# Altium PCB DIOT_Template.PcbDoc (part 1 of 3) (continued)
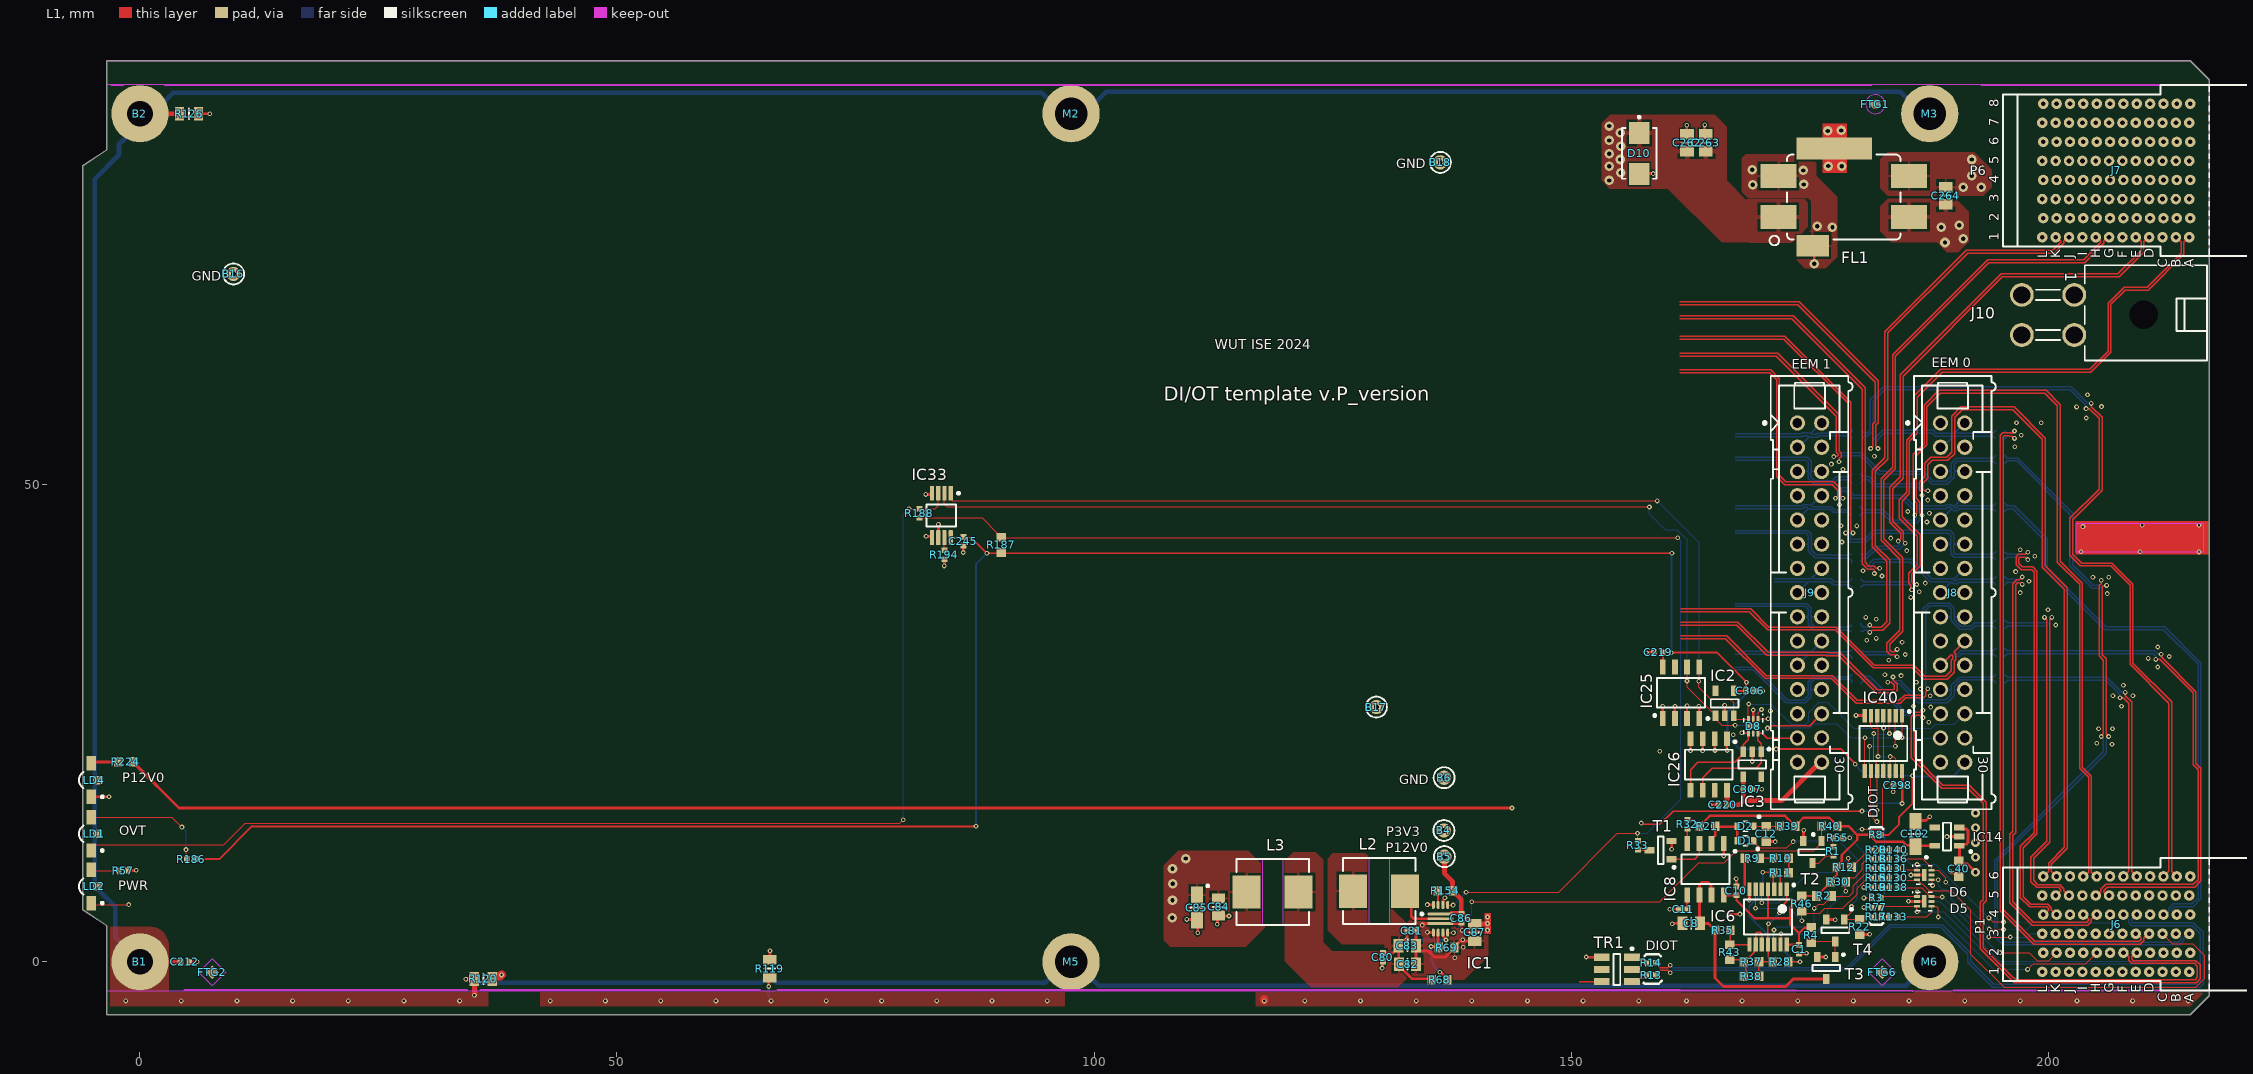
[diagram p0: L1 view]
## Design rules (kind name [scope] priority, off if disabled: settings) (continued)
PolygonConnect [All] p3: thpad.connectstyle=Relief thpad.reliefconductorwidth=0.254 thpad.reliefentries=4 thpad.polygonreliefangle="90 Angle" thpad.airgapwidth=0.254 smdpad.connectstyle=Relief smdpad.reliefconductorwidth=0.254 smdpad.reliefentries=4 smdpad.polygonreliefangle="90 Angle" smdpad.airgapwidth=0.254 via.connectstyle=Direct via.reliefconductorwidth=0.254 via.reliefentries=4 via.polygonreliefangle="90 Angle" via.airgapwidth=0.254
ReturnPath [All] p1: impedanceprofileid={766963E9-4C46-4FD0-92C7-72FE31CC1419} _gaplimit=0 _useantipads=TRUE
RoomDefinition Overlapping [InComponentClass('Overlapping')] p1: confinementstyle=ConfineIn formatcopy=TRUE lockcomponents=FALSE outline 194.742,-3.302 229.921,-3.302 229.921,11.684 194.742,11.684
RoomDefinition U_PWR_Supply [InComponentClass('U_PWR_Supply')] p2: confinementstyle=ConfineIn formatcopy=TRUE lockcomponents=FALSE outline 101.549,-6.782 147.473,-6.782 147.473,18.136 101.549,18.136
RoutingLayers RoutingLayers_1 [InAnyDifferentialPair] p1 off: top layer_v5=TRUE bottom layer_v5=TRUE
RoutingLayers RoutingLayers_2 [InNetClass('50Ohm')] p2: top layer_v5=TRUE bottom layer_v5=TRUE
RoutingLayers [All] p3: top layer_v5=TRUE bottom layer_v5=TRUE
RoutingTopology RoutingTopology_DDRAddressAndControls [InNetClass('DDR_AddressAndControls')] p1: topology=Daisy_Simple
RoutingTopology RoutingTopology_DDRAddressAndControls_1 [InNetClass('DDR_AddressAndControls_1')] p2: topology=Daisy_Simple
RoutingTopology [All] p3: topology=Shortest
RoutingVias [All] p1: holewidth=0.25 width=0.5 viastyle="Through Hole" minholewidth=0.25 minwidth=0.5 maxholewidth=0.45 maxwidth=1 viatemplateguid#1={8CC95450-9C4C-4A66-BFBB-022CCA0C80F0} viatemplateguid#2={7BA2FAF8-F5E9-4BF3-9BD8-21DB5C2C29C0} viatemplatename#1=v50h20 viatemplatename#2=v80h50
SMDEntry [All] p1 off: side=TRUE corner=TRUE anyangle=FALSE
SilkToSilkClearance [All] p1: silktosilkclearance=0.1
SilkToSolderMaskClearance SilkscreenOverComponentPads [IsPad] p1: minsilkscreentomaskgap=0.125 clearancetoexposedcopper=FALSE
SolderMaskExpansion SolderMaskExpansion_1 [IsVia] p1: expansion=0.05 istentingtop=TRUE
SolderMaskExpansion [All] p2: expansion=0.05 istentingtop=FALSE
StubLength [All] p1: limit=3
SupplyNets "Schematic Supply Nets_7" [InNet('GND')] p1: voltage=0.000
SupplyNets "Schematic Supply Nets_6" [InNet('P3V3_MP2')] p2: voltage=0.000
SupplyNets "Schematic Supply Nets_5" [InNet('P3V3_DIOT')] p3: voltage=0.000
SupplyNets "Schematic Supply Nets_3" [InNet('P3V3_MP')] p4: voltage=0.000
SupplyNets "Schematic Supply Nets_2" [InNet('STRIP1')] p5: voltage=0.000
SupplyNets "Schematic Supply Nets_1" [InNet('P12V0')] p6: voltage=0.000
SupplyNets "Schematic Supply Nets" [InNet('P3V3')] p7: voltage=0.000
UnConnectedPin [All] p1 off:
UnRoutedNet UnRoutedNet_1 [Not (InNet('STRIP1') or InNet('FMC_VIO_B_M2C'))] p1: checkbadconnections=TRUE
UnpouredPolygon UnpouredPolygon_1 [InPolygonClass('Copper_Balancing')] p1: allowunpoured=TRUE
UnpouredPolygon [All] p2:
ViasUnderSMD ViasUnderSMD_1 [InPadClass('ViaInPad')     or InComponent('IC21')] p1: allowed=TRUE
ViasUnderSMD [All] p2: allowed=FALSE
Width Width_pwr [InNetClass('PWR')] p1: maxlimit=2 minlimit=0.3 preferedwidth=0.3 minimp=50.000000 maximp=50.000000 favimp=50.000000
Width Width_50Ohm [InNetClass('SE50')] p2: maxlimit=0.23 minlimit=0.23 preferedwidth=0.23 impedanceprofiledriven=TRUE impedanceprofileid={817017FA-2CA9-4D33-80A1-67892E8A955B} impedanceprofilevalue=50.000000 minimp=50.000000 maximp=50.000000 favimp=50.000000
Width [All] p3: maxlimit=2 minlimit=0.125 preferedwidth=0.125 minimp=50.000000 maximp=50.000000 favimp=50.000000
12 further rules are at their usual default settings.

## Classes and differential pairs
component class Overlapping: J6
component class U_CLK_GEN: TR1
net class HPOW: P12V0
component class EEM_Connectors: C219 C220 C298 C306 C307 D8 IC2 IC3 IC25 IC26 IC40 IC42 IC43 J8 J9 R3 R5 R6 R7 R77 R143 R144 R145 R146 R147 R148 R149 R150 R151 R152 R156 R157 R158 R159 R161 R162 R163 R164 R167 R168 R169 R170 R171 R172 R173 R174 R175 R176 R177
differential pair class MGT: BP_MGT.Rx BP_MGT.Tx BP_MGT_Rx BP_MGT_Tx FMC_MGT.DP_C2M0 FMC_MGT.DP_C2M1 FMC_MGT.DP_C2M2 FMC_MGT.DP_C2M3 FMC_MGT.DP_C2M4 FMC_MGT.DP_C2M5 FMC_MGT.DP_C2M6 FMC_MGT.DP_C2M7 FMC_MGT.DP_C2M8 FMC_MGT.DP_C2M9 FMC_MGT.DP_M2C0 FMC_MGT.DP_M2C1 FMC_MGT.DP_M2C2 FMC_MGT.DP_M2C3 FMC_MGT.DP_M2C4 FMC_MGT.DP_M2C5 FMC_MGT.DP_M2C6 FMC_MGT.DP_M2C7 FMC_MGT.DP_M2C8 FMC_MGT.DP_M2C9 MGT_RX0 MGT_RX1 MGT_RX2 MGT_RX3 MGT_RXC3 MGT_TX0 MGT_TX1 MGT_TX2 MGT_TX3 MGT_TXC3
net class ESD_STRIP: STRIP1 STRIP2 STRIP3
net class PWR: NetC264_2 P12V0
differential pair class Diff_100Ohm: BP_IO.LVDS0 BP_IO.LVDS1 BP_IO.LVDS2 BP_IO.LVDS3 BP_IO.LVDS4 BP_IO.LVDS5 BP_IO.LVDS6 BP_IO.LVDS7 BP_IO.LVDS8 BP_IO.LVDS9 BP_IO.LVDS10 BP_IO.LVDS11 BP_IO.LVDS12 BP_IO.LVDS13 BP_IO.LVDS14 BP_IO.LVDS15 CK_MMCX CK_MMCX_ALT CK_MMCX_IN CK_OSC CK_OSC_ALT CK_SMA CK_SMA_ALT CK_SMA_IN DDR3_CK DDR3_LDQS DDR3_UDQS EEM_IO.LVDS0 EEM_IO.LVDS1 EEM_IO.LVDS2 EEM_IO.LVDS3 EEM_IO.LVDS4 EEM_IO.LVDS5 EEM_IO.LVDS6 EEM_IO.LVDS7 EEM_IO.LVDS8 EEM_IO.LVDS9 EEM_IO.LVDS10 EEM_IO.LVDS11 EEM_IO.LVDS12 EEM_IO.LVDS13 EEM_IO.LVDS14 EEM_IO.LVDS15 FMC.HA0 FMC.HA1 FMC.HA2 FMC.HA3 FMC.HA4 FMC.HA5 FMC.HA6 FMC.HA7 FMC.HA8 FMC.HA9 FMC.HA10 FMC.HA11 FMC.HA12 FMC.HA13 FMC.HA14 FMC.HA15 FMC.HA16 FMC.HA17 FMC.HA18 FMC.HA19 FMC.HA20 FMC.HA21 FMC.HA22 FMC.HA23 FMC.HB0 FMC.HB1 FMC.HB2 FMC.HB3 FMC.HB4 FMC.HB5 FMC.HB6 FMC.HB7 FMC.HB8 FMC.HB9 FMC.HB10 FMC.HB11 FMC.HB12 FMC.HB13 FMC.HB14 FMC.HB15 FMC.HB16 FMC.HB17 FMC.HB18 FMC.HB19 FMC.HB20 FMC.HB21 FMC.LA0 FMC.LA1 FMC.LA2 FMC.LA3 FMC.LA4 FMC.LA5 FMC.LA6 FMC.LA7 FMC.LA8 FMC.LA9 FMC.LA10 FMC.LA11 FMC.LA12 FMC.LA13 FMC.LA14 FMC.LA15 FMC.LA16 FMC.LA17 FMC.LA18 FMC.LA19 FMC.LA20 FMC.LA21 FMC.LA22 FMC.LA23 FMC.LA24 FMC.LA25 FMC.LA26 FMC.LA27 FMC.LA28 FMC.LA29 FMC.LA30 FMC.LA31 FMC.LA32 FMC.LA33 FMC_CLK.CLK_BIDIR2 FMC_CLK.CLK_BIDIR3 FMC_CLK.CLK_M2C0 FMC_CLK.CLK_M2C1 FMC_MGT.GBTCLK_M2C0 FMC_MGT.GBTCLK_M2C1 GBTCLK0_M2C LVDS_DUAL0 LVDS_DUAL1 LVDS_DUAL2 LVDS_DUAL3 LVDS_DUAL4 LVDS_JTAG_TCK LVDS_JTAG_TDI LVDS_JTAG_TDO LVDS_JTAG_TMS LVDS_JTAG_TRSTn MGT_OR_LVDS OSC PE_CK PE_CLK PE_CLK.CLK PE_CLK_ALT
net class GA[0..3]: GA0 GA1 GA2 GA3
net class EEM_IO.LVDS_P[0..15]: EEM_IO.LVDS_P0 EEM_IO.LVDS_P1 EEM_IO.LVDS_P2 EEM_IO.LVDS_P3 EEM_IO.LVDS_P4 EEM_IO.LVDS_P5 EEM_IO.LVDS_P6 EEM_IO.LVDS_P7 EEM_IO.LVDS_P8 EEM_IO.LVDS_P9 EEM_IO.LVDS_P10 EEM_IO.LVDS_P11 EEM_IO.LVDS_P12 EEM_IO.LVDS_P13 EEM_IO.LVDS_P14 EEM_IO.LVDS_P15
net class EEM_IO.LVDS_N[0..15]: EEM_IO.LVDS_N0 EEM_IO.LVDS_N1 EEM_IO.LVDS_N2 EEM_IO.LVDS_N3 EEM_IO.LVDS_N4 EEM_IO.LVDS_N5 EEM_IO.LVDS_N6 EEM_IO.LVDS_N7 EEM_IO.LVDS_N8 EEM_IO.LVDS_N9 EEM_IO.LVDS_N10 EEM_IO.LVDS_N11 EEM_IO.LVDS_N12 EEM_IO.LVDS_N13 EEM_IO.LVDS_N14 EEM_IO.LVDS_N15
net class BP_IO.LVDS_P[0..15]: BP_IO.LVDS_P0 BP_IO.LVDS_P1 BP_IO.LVDS_P2 BP_IO.LVDS_P3 BP_IO.LVDS_P4 BP_IO.LVDS_P5 BP_IO.LVDS_P6 BP_IO.LVDS_P7 BP_IO.LVDS_P8 BP_IO.LVDS_P9 BP_IO.LVDS_P10 BP_IO.LVDS_P11 BP_IO.LVDS_P12 BP_IO.LVDS_P13 BP_IO.LVDS_P14 BP_IO.LVDS_P15
net class BP_IO.LVDS_N[0..15]: BP_IO.LVDS_N0 BP_IO.LVDS_N1 BP_IO.LVDS_N2 BP_IO.LVDS_N3 BP_IO.LVDS_N4 BP_IO.LVDS_N5 BP_IO.LVDS_N6 BP_IO.LVDS_N7 BP_IO.LVDS_N8 BP_IO.LVDS_N9 BP_IO.LVDS_N10 BP_IO.LVDS_N11 BP_IO.LVDS_N12 BP_IO.LVDS_N13 BP_IO.LVDS_N14 BP_IO.LVDS_N15
component class CPCIS_Connectors_P1_P6: C1 C8 C10 C11 C12 D1 D2 D5 D6 IC6 IC8 J6 J7 R1 R2 R4 R9 R10 R11 R12 R13 R14 R15 R16 R17 R18 R19 R20 R21 R22 R28 R30 R32 R33 R35 R37 R38 R39 R40 R43 R46 R55 R130 R131 R133 R136 R138 R140 T1 T2 T3 T4
component class DIOT_Template: B1 B2 C212 FTG1 FTG2 FTG3 FTG4 FTG5 FTG6 M2 M3 M5 M6 R119 R120 R126
component class U_PWR_Supply: B4 B5 B6 B16 B17 B18 C40 C79 C80 C81 C82 C83 C84 C85 C86 C87 C102 C245 C262 C263 C264 D10 FL1 IC1 IC14 IC33 J10 L2 L3 LD1 LD2 LD4 R8 R57 R68 R69 R154 R186 R187 R188 R194 R224
differential pair PE_CLK: +PE_CLK_P -PE_CLK_N
differential pair EEM_IO.LVDS15: +EEM_IO.LVDS_P15 -EEM_IO.LVDS_N15
differential pair EEM_IO.LVDS4: +EEM_IO.LVDS_P4 -EEM_IO.LVDS_N4
differential pair EEM_IO.LVDS3: +EEM_IO.LVDS_P3 -EEM_IO.LVDS_N3
differential pair EEM_IO.LVDS2: +EEM_IO.LVDS_P2 -EEM_IO.LVDS_N2
differential pair EEM_IO.LVDS1: +EEM_IO.LVDS_P1 -EEM_IO.LVDS_N1
differential pair EEM_IO.LVDS0: +EEM_IO.LVDS_P0 -EEM_IO.LVDS_N0
differential pair BP_MGT_Rx: +BP_MGT_Rx_P -BP_MGT_Rx_N
differential pair BP_MGT_Tx: +BP_MGT_Tx_P -BP_MGT_Tx_N
differential pair PE_CLK.CLK: +PE_CLK.CLK_P -PE_CLK.CLK_N
differential pair EEM_IO.LVDS14: +EEM_IO.LVDS_P14 -EEM_IO.LVDS_N14
differential pair EEM_IO.LVDS13: +EEM_IO.LVDS_P13 -EEM_IO.LVDS_N13
differential pair EEM_IO.LVDS12: +EEM_IO.LVDS_P12 -EEM_IO.LVDS_N12
differential pair EEM_IO.LVDS11: +EEM_IO.LVDS_P11 -EEM_IO.LVDS_N11
differential pair EEM_IO.LVDS10: +EEM_IO.LVDS_P10 -EEM_IO.LVDS_N10
differential pair EEM_IO.LVDS9: +EEM_IO.LVDS_P9 -EEM_IO.LVDS_N9
differential pair EEM_IO.LVDS8: +EEM_IO.LVDS_P8 -EEM_IO.LVDS_N8
differential pair EEM_IO.LVDS7: +EEM_IO.LVDS_P7 -EEM_IO.LVDS_N7
differential pair EEM_IO.LVDS6: +EEM_IO.LVDS_P6 -EEM_IO.LVDS_N6
differential pair EEM_IO.LVDS5: +EEM_IO.LVDS_P5 -EEM_IO.LVDS_N5
differential pair BP_IO.LVDS15: +BP_IO.LVDS_P15 -BP_IO.LVDS_N15
differential pair BP_IO.LVDS14: +BP_IO.LVDS_P14 -BP_IO.LVDS_N14
differential pair BP_IO.LVDS13: +BP_IO.LVDS_P13 -BP_IO.LVDS_N13
differential pair BP_IO.LVDS12: +BP_IO.LVDS_P12 -BP_IO.LVDS_N12
differential pair BP_IO.LVDS11: +BP_IO.LVDS_P11 -BP_IO.LVDS_N11
differential pair BP_IO.LVDS10: +BP_IO.LVDS_P10 -BP_IO.LVDS_N10
differential pair BP_IO.LVDS9: +BP_IO.LVDS_P9 -BP_IO.LVDS_N9
differential pair BP_IO.LVDS8: +BP_IO.LVDS_P8 -BP_IO.LVDS_N8
differential pair BP_IO.LVDS7: +BP_IO.LVDS_P7 -BP_IO.LVDS_N7
differential pair BP_IO.LVDS6: +BP_IO.LVDS_P6 -BP_IO.LVDS_N6
differential pair BP_IO.LVDS5: +BP_IO.LVDS_P5 -BP_IO.LVDS_N5
differential pair BP_IO.LVDS4: +BP_IO.LVDS_P4 -BP_IO.LVDS_N4
differential pair BP_IO.LVDS3: +BP_IO.LVDS_P3 -BP_IO.LVDS_N3
differential pair BP_IO.LVDS2: +BP_IO.LVDS_P2 -BP_IO.LVDS_N2
differential pair BP_IO.LVDS1: +BP_IO.LVDS_P1 -BP_IO.LVDS_N1
differential pair BP_IO.LVDS0: +BP_IO.LVDS_P0 -BP_IO.LVDS_N0

## Components (designator, comment, footprint, x,y, rotation, side; value= is the part's Value field where it differs from the comment)
B1 "Plated Hole" c600h270 0,0 r0 top
B2 "Plated Hole" c600h270 0,88.9 r0 top locked
B4 "Plated Hole" c150h50 136.678,13.767 r0 top
B5 "Plated Hole" c150h50 136.728,11.024 r0 top
B6 "Plated Hole" c150h50 136.7,19.3 r0 top
B16 "Plated Hole" c150h50 9.8,72.1 r0 top
B17 "Plated Hole" c150h50 129.6,26.7 r0 top
B18 "Plated Hole" c150h50 136.3,83.8 r0 top
C1 "100nF" CAPC1005X55N 173.9,1.3 r90 top
C8 "22uF" CAPC2012X135N 162.6,4.029 r0 top
C10 "100nF" CAPC1005X55N 167.329,7.44 r270 top
C11 "100nF" CAPC1005X55N 161.75,5.501 r0 top
C12 "1uF" CAPC1608X87N 170.441,13.4 r90 top
C40 "1uF" CAPC1608X87N 190.655,9.765 r90 top
C79 "100nF" CAPC1005X55N 136.072,5.963 r0 bottom
C80 "100nF" CAPC1005X55N 130.277,0.483 r90 top
C81 "100nF" CAPC1005X55N 133.299,3.277 r180 top
C82 "22uF" CAPC2012X135N 132.868,-0.254 r180 top
C83 "22uF" CAPC2012X135N 132.842,1.702 r180 top
C84 "22uF" CAPC2012X135N 113.056,5.755 r90 top
C85 "10uF" CAPMP3216X180N 110.795,5.69 r270 top
C86 "100nF" CAPC1005X55N 138.506,4.547 r90 top
C87 "22uF" CAPC2012X135N 139.903,3.073 r90 top
C102 "4.7uF" CAPMP3216X180N 186.1,13.4 r90 top
C212 "22pF" CAPC1005X55N 4.7,0 r0 top
C219 "100nF" CAPC1005X55N 159.163,32.437 r0 top
C220 "100nF" CAPC1005X55N 165.9,16.468 r0 top
C245 "100nF" CAPC1005X55N 86.3,44.1 r90 top
C262 "10uF" CAPC2012X95N 162.171,85.851 r270 top
C263 "10uF" CAPC2012X95N 164.121,85.851 r270 top
C264 "10uF" CAPC2012X95N 189.281,80.312 r270 top
C298 "100nF" CAPC1005X55N 184.266,18.499 r0 top
C306 "100nF" CAPC1005X55N 168.8,28.4 r180 top
C307 "100nF" CAPC1005X55N 168.5,18.1 r180 top
D1 "CDBU0520-HF" SOD-523F 168.291,12.7 r180 top
D2 "CDBU0520-HF" SOD-523F 168.289,14.203 r180 top
D5 "UCLAMP3305P.TCT" SON50P160X65_HS-7N 187.024,6.331 r0 top
D6 "UCLAMP3305P.TCT" SON50P160X65_HS-7N 187.031,9.099 r0 top
D8 "UCLAMP3305P.TCT" SON50P160X65_HS-7N 169.1,24.7 r270 top
D10 "SMBJ12A" DIOM5336X265N 157.15,84.732 r270 top
FL1 "10A/50VDC" FIL_MURATA_BNX02 178.588,80.16 r180 top
FTG1 "Use only in PCB" FIDUCIAL_TOP_C100-200#1 181.9,89.9 r90 top
FTG2 "Use only in PCB" FIDUCIAL_TOP_S100-200 7.6,-1.1 r90 top
FTG3 "Use only in PCB" FIDUCIAL_TOP_C100-200#2 181.1,89.3 r90 bottom
FTG4 "Use only in PCB" FIDUCIAL_TOP_S100-200 8.3,-1.1 r90 bottom
FTG5 "Use only in PCB" FIDUCIAL_TOP_S100-200 196.8,7.2 r90 bottom
FTG6 "Use only in PCB" FIDUCIAL_TOP_S100-200 182.6,-1.1 r90 top
IC1 "TPS62148RGX" TEXAS_RGX0011A 136.322,4.513 r0 top
IC2 "24AA02E48T-I/OT" SOT95P280X145-5N 166.1,27.1 r90 top
IC3 "24AA02E48T-I/OT" SOT95P280X145-5N 169,20.7 r270 top
IC6 "CD74HC4066PWR" CD74HC4066PWR 170.65,4.7 r270 top
IC8 "TLC555ID" SOIC127P600X175-8N 164.1,9.7 r270 top
IC14 "MIC5219-3.3YM5" SOT95P280X145-5N 189.404,13.128 r180 top
IC25 "24AA025E48-I/SN" SOIC127P600X175-8N 161.528,28.217 r90 top
IC26 "24AA025E48-I/SN" SOIC127P600X175-8N 164.434,20.675 r270 top
IC33 "LM75AIMMX/NOPB" DGK0008A_M 83.995,46.787 r270 top
IC40 "CD74HC4066PWR" CD74HC4066PWR 182.742,22.885 r270 top
J6 "P1" AMPHENOL_10052825-101LF 207.15,3.95 r90 top locked
J7 "P6" AMPHENOL_10052838-101LF 207.15,82.95 r90 top locked
J8 "" 3M_N2530-6002RB 190,38.7 r270 top locked
J9 "" 3M_N2530-6002RB 175,38.7 r270 top locked
J10 "Mini-Fit Jr.™" MOLEX_39-30-0040 200,67.809 r270 top
L2 "1.5uH" IND_WURTH_WE-LHMI_7050 129.889,7.417 r180 top
L3 "1.5uH" IND_WURTH_WE-LHMI_7050 118.72,7.315 r180 top
LD1 "Red" LED_AVAGO_HSMC-C110 -5.1,13.411 r90 top
LD2 "Green" LED_AVAGO_HSME-C110 -5.1,7.899 r90 top
LD4 "Green" LED_AVAGO_HSME-C110 -5.1,19.05 r90 top
M2 "PTH_3.4X6_BTKO" PTH-M3.4x6.0_BTKO 97.6,88.9 r180 top locked
M3 "PTH_3.4X6_BTKO" PTH-M3.4x6.0_BTKO 187.6,88.9 r180 top
M5 "PTH_3.4X6_BTKO" PTH-M3.4x6.0_BTKO 97.6,0 r0 top locked
M6 "PTH_3.4X6_BTKO" PTH-M3.4x6.0_BTKO 187.6,0 r0 top locked
R1 "200" RESC1005X40N 177.5,11.6 r90 top
R2 "10k" RESC1608X55N 176.5,6.9 r0 top
R3 "0" RESC1005X40N 182,6.7 r180 top
R4 "10k" RESC1608X55N 175.2,2.8 r90 top
R5 "0" RESC1005X40N 180,55.74 r180 bottom
R6 "0" RESC1005X40N 179.9,50.2 r180 bottom
R7 "0" RESC1005X40N 179.794,47.701 r180 bottom
R8 "0" RESC1005X40N 182,13.3 r0 top
R9 "10k" RESC1608X55N 168.994,10.843 r0 top
R10 "10k" RESC1608X55N 172,10.85 r180 top
R11 "10k" RESC1608X55N 172,9.35 r180 top
R12 "10k" RESC1608X55N 178.6,9.9 r0 top
R13 "0" RESC1005X40N 158.4,-1.4 r0 top
R14 "0" RESC1005X40N 158.4,-0.1 r0 top
R15 "0" RESC1005X40N 182,8.8 r0 top
R16 "0" RESC1005X40N 182,9.8 r0 top
R17 "0" RESC1005X40N 182,4.7 r0 top
R18 "0" RESC1005X40N 182,10.8 r0 top
R19 "0" RESC1005X40N 182,7.8 r0 top
R20 "0" RESC1005X40N 182,11.746 r0 top
R21 "100k" RESC1608X55N 164.3,14.2 r0 top
R22 "100k" RESC1608X55N 180.259,3.667 r90 top
R28 "10k" RESC1608X55N 171.95,0.003 r0 top
R30 "10k" RESC1608X55N 178,8.4 r0 top
R32 "0" RESC1005X40N 162.2,14.4 r270 top
R33 "0" RESC1005X40N 157,12.2 r90 top
R35 "2k7" RESC1608X55N 165.9,3.3 r180 top
R37 "10k" RESC1608X55N 168.9,0 r180 top
R38 "10k" RESC1608X55N 168.9,-1.5 r180 top
R39 "10k" RESC1608X55N 172.699,14.203 r180 top
R40 "10k" RESC1608X55N 177.1,14.2 r0 top
R43 "2k7" RESC1608X55N 166.65,0.998 r270 top
R46 "10k" RESC1608X55N 174.2,6.1 r270 top
R55 "22" RESC1005X40N 177.962,12.996 r0 top
R57 "1k6" RESC1005X40N -1.753,9.55 r0 top
R68 "560k" RESC1608X55N 136.22,-1.88 r180 top
R69 "150k" RESC1608X55N 136.957,1.499 r180 top
R77 "0" RESC1005X40N 182,5.7 r180 top
R119 "10M" RESC2113X55N 66.015,-0.711 r90 top
R120 "10M" RESC2113X55N 35.997,-1.8 r180 top
R126 "1M1" RESC2012X60N 5.152,88.9 r0 top
R130 "22" RESC1005X40N 183.82,8.8 r0 top
R131 "22" RESC1005X40N 183.82,9.8 r0 top
R133 "22" RESC1005X40N 183.8,4.7 r0 top
R136 "22" RESC1005X40N 183.82,10.8 r0 top
R138 "22" RESC1005X40N 183.82,7.8 r0 top
R140 "22" RESC1005X40N 183.81,11.745 r0 top
R143 "0" RESC1005X40N 179.987,30.265 r0 bottom
R144 "0" RESC1005X40N 180,29.3 r0 bottom
R145 "0" RESC1005X40N 195,55.7 r180 bottom
R146 "0" RESC1005X40N 195,53.1 r180 bottom
R147 "0" RESC1005X40N 195,48.089 r180 bottom
R148 "0" RESC1005X40N 195,42.1 r180 bottom
R149 "0" RESC1005X40N 195,40.4 r180 bottom
R150 "0" RESC1005X40N 195,34.9 r180 bottom
R151 "0" RESC1005X40N 195,32.9 r180 bottom
R152 "0" RESC1005X40N 195,30.152 r180 bottom
R154 "49k9" RESC1608X55N 136.83,7.468 r180 top
R156 "0" RESC1005X40N 179.9,42 r180 bottom
R157 "0" RESC1005X40N 179.908,40.132 r180 bottom
R158 "0" RESC1005X40N 179.908,34.446 r180 bottom
R159 "0" RESC1005X40N 179.9,32.814 r180 bottom
R161 "0" RESC1005X40N 195,54.8 r180 bottom
R162 "0" RESC1005X40N 195,52.2 r180 bottom
R163 "0" RESC1005X40N 195,47.189 r180 bottom
R164 "0" RESC1005X40N 195,43 r180 bottom
R167 "0" RESC1005X40N 195,39.5 r180 bottom
R168 "0" RESC1005X40N 195,35.84 r180 bottom
R169 "0" RESC1005X40N 195,32 r180 bottom
R170 "0" RESC1005X40N 195,29.212 r180 bottom
R171 "0" RESC1005X40N 180,54.8 r180 bottom
R172 "0" RESC1005X40N 179.9,51.14 r180 bottom
R173 "0" RESC1005X40N 179.807,46.761 r180 bottom
R174 "0" RESC1005X40N 179.9,42.94 r180 bottom
R175 "0" RESC1005X40N 179.908,39.218 r180 bottom
R176 "0" RESC1005X40N 179.908,35.361 r180 bottom
R177 "0" RESC1005X40N 179.9,31.9 r180 bottom
R186 "1k6" RESC1005X40N 5.359,10.77 r0 top
R187 "10k" RESC1608X55N 90.3,43.7 r270 top
R188 "0" RESC1005X40N 81.7,47 r270 top
R194 "0" RESC1005X40N 84.326,42.651 r90 top
R224 "10k" RESC1608X55N -1.486,20.955 r0 top
T1 "BSS138LT1G" SOT95P240X110-3N 159.4,11.7 r180 top
T2 "BSS138LT1G" SOT95P240X110-3N 175.3,11.5 r270 top
T3 "BSS138LT1G" SOT95P240X110-3N 176.75,-0.65 r270 top
T4 "BSS138LT1G" SOT95P240X110-3N 177.7,3.3 r270 top
TR1 "1:2" XFMR_MINI-CIRCUITS_DB714 154.8,-0.8 r270 top

## Footprints (in the part's own frame and the unit in brackets; to place one, negate y for a bottom-side part, rotate by r counter-clockwise, add the part's x,y. Pads: shape width x height; smd on the part's side, far side on the other; paste and mask are expansions set on the pad)
3M_N2530-6002RB [mm] "30 Contacts - Straight .100\" x .100\" Low Profile Four-Wall Header"
  round 1.6 hole 1: 1(-17.78,-1.27) 2(-17.78,1.27) 3(-15.24,-1.27) 4(-15.24,1.27) 5(-12.7,-1.27) 6(-12.7,1.27) 7(-10.16,-1.27) 8(-10.16,1.27) 9(-7.62,-1.27) 10(-7.62,1.27) 11(-5.08,-1.27) 12(-5.08,1.27) 13(-2.54,-1.27) 14(-2.54,1.27) 15(0,-1.27) 16(0,1.27) 17(2.54,-1.27) 18(2.54,1.27) 19(5.08,-1.27) 20(5.08,1.27) 21(7.62,-1.27) 22(7.62,1.27) 23(10.16,-1.27) 24(10.16,1.27) 25(12.7,-1.27) 26(12.7,1.27) 27(15.24,-1.27) 28(15.24,1.27) 29(17.78,-1.27) 30(17.78,1.27)
  silkscreen extent -22.71,-4.85 22.71,4.52, body extent -22.71,-4.11 22.71,4.52, height 9.91
AMPHENOL_10052825-101LF [mm] "72 Contacts, 2mm Pitch, 6 Columns, 4 Pairs per Column, 4 Walls, Right Angle Header"
  round 1.1 hole 0.5: A1(-5,-7.65) A2(-3,-7.75) A3(-1,-7.65) A4(1,-7.75) A5(3,-7.65) A6(5,-7.75) B1(-5,-6.25) B2(-3,-6.35) B3(-1,-6.25) B4(1,-6.35) B5(3,-6.25) B6(5,-6.35) C1(-5,-4.85) C2(-3,-4.95) C3(-1,-4.85) C4(1,-4.95) C5(3,-4.85) C6(5,-4.95) D1(-5,-3.45) D2(-3,-3.55) D3(-1,-3.45) D4(1,-3.55) D5(3,-3.45) D6(5,-3.55) E1(-5,-2.05) E2(-3,-2.15) E3(-1,-2.05) E4(1,-2.15) E5(3,-2.05) E6(5,-2.15) F1(-5,-0.65) F2(-3,-0.75) F3(-1,-0.65) F4(1,-0.75) F5(3,-0.65) F6(5,-0.75) G1(-5,0.75) G2(-3,0.65) G3(-1,0.75) G4(1,0.65) G5(3,0.75) G6(5,0.65) H1(-5,2.15) H2(-3,2.05) H3(-1,2.15) H4(1,2.05) H5(3,2.15) H6(5,2.05) I1(-5,3.55) I2(-3,3.45) I3(-1,3.55) I4(1,3.45) I5(3,3.55) I6(5,3.45) J1(-5,4.95) J2(-3,4.85) J3(-1,4.95) J4(1,4.85) J5(3,4.95) J6(5,4.85) K1(-5,6.35) K2(-3,6.25) K3(-1,6.35) K4(1,6.25) K5(3,6.35) K6(5,6.25) L1(-5,7.75) L2(-3,7.65) L3(-1,7.75) L4(1,7.65) L5(3,7.75) L6(5,7.65)
  silkscreen extent -6.95,-21.95 6.95,11.85, body extent -6.95,-21.95 6.95,11.85, height 15.25
AMPHENOL_10052838-101LF [mm] "96 Contacts, 2mm Pitch, 8 Columns, 4 Pairs per Column, 4 Walls, Right Angle Header"
  round 1.1 hole 0.5: A1(-7,-7.65) A2(-5,-7.75) A3(-3,-7.65) A4(-1,-7.75) A5(1,-7.65) A6(3,-7.75) A7(5,-7.65) A8(7,-7.75) B1(-7,-6.25) B2(-5,-6.35) B3(-3,-6.25) B4(-1,-6.35) B5(1,-6.25) B6(3,-6.35) B7(5,-6.25) B8(7,-6.35) C1(-7,-4.85) C2(-5,-4.95) C3(-3,-4.85) C4(-1,-4.95) C5(1,-4.85) C6(3,-4.95) C7(5,-4.85) C8(7,-4.95) D1(-7,-3.45) D2(-5,-3.55) D3(-3,-3.45) D4(-1,-3.55) D5(1,-3.45) D6(3,-3.55) D7(5,-3.45) D8(7,-3.55) E1(-7,-2.05) E2(-5,-2.15) E3(-3,-2.05) E4(-1,-2.15) E5(1,-2.05) E6(3,-2.15) E7(5,-2.05) E8(7,-2.15) F1(-7,-0.65) F2(-5,-0.75) F3(-3,-0.65) F4(-1,-0.75) F5(1,-0.65) F6(3,-0.75) F7(5,-0.65) F8(7,-0.75) G1(-7,0.75) G2(-5,0.65) G3(-3,0.75) G4(-1,0.65) G5(1,0.75) G6(3,0.65) G7(5,0.75) G8(7,0.65) H1(-7,2.15) H2(-5,2.05) H3(-3,2.15) H4(-1,2.05) H5(1,2.15) H6(3,2.05) H7(5,2.15) H8(7,2.05) I1(-7,3.55) I2(-5,3.45) I3(-3,3.55) I4(-1,3.45) I5(1,3.55) I6(3,3.45) I7(5,3.55) I8(7,3.45) J1(-7,4.95) J2(-5,4.85) J3(-3,4.95) J4(-1,4.85) J5(1,4.95) J6(3,4.85) J7(5,4.95) J8(7,4.85) K1(-7,6.35) K2(-5,6.25) K3(-3,6.35) K4(-1,6.25) K5(1,6.35) K6(3,6.25) K7(5,6.35) K8(7,6.25) L1(-7,7.75) L2(-5,7.65) L3(-3,7.75) L4(-1,7.65) L5(1,7.75) L6(3,7.65) L7(5,7.75) L8(7,7.65)
  silkscreen extent -8.95,-21.95 8.95,11.85, body extent -8.95,-21.95 8.95,11.85, height 15.25
c150h50 [mm] "Plated Through Hole: Hole Dia.=0.5mm Pad Dia.=1.5mm"
  round 1.5 hole 0.5: 1(0,0)
  silkscreen extent -1.1,-1.1 1.1,1.1
c600h270 [mm] "Plated Through Hole: Hole Dia.=2.7mm Pad Dia.=6.0mm"
  round 6 hole 2.7: 1(0,0)
CAPC1005X55N [mm] "Capacitor, Non-Polarized, Chip; 1.00mm L X 0.50mm W X 0.70mm H, IPC Medium Density"
  rect 0.62x0.62 smd: 1(-0.45,0) 2(0.45,0)
  body extent -0.52,-0.27 0.53,0.28, height 0.55
CAPC1608X87N [mm] "Chip Capacitor, Body 1.6x0.8mm IPC Medium Density"
  rect 0.95x1 smd: 1(-0.8,0) 2(0.8,0)
  body extent -0.87,-0.47 0.88,0.48, height 0.87
CAPC2012X95N [mm] "Chip Capacitor, Body 2.0x1.25mm, IPC Medium Density"
  rect 1.1x1.45 smd: 1(-0.9,0) 2(0.9,0)
  silkscreen extent 0,-0.58 0,0.58, body extent -1.05,-0.67 1.05,0.68, height 0.95
CAPC2012X135N [mm] "Chip Capacitor, Body 2.0x1.25mm, IPC Medium Density"
  rect 1.05x1.4 smd: 1(-0.9,0) 2(0.9,0)
  silkscreen extent 0,-0.58 0,0.58, body extent -1.05,-0.67 1.05,0.68, height 1.25
CAPMP3216X180N [mm] "Capacitor, Polarized, Molded  Body 3.2x1.6mm, IPC Medium Density"
  rect 1.8x1.25 smd: 1(-1.3,0) 2(1.3,0)
  silkscreen extent -2.4,-0.7 0,1.25, body extent -1.7,-0.9 1.7,0.9, height 1.6
CD74HC4066PWR [mm]
  rect 1.45x0.45 smd: 1(-2.9,1.95) 2(-2.9,1.3) 3(-2.9,0.65) 4(-2.9,0) 5(-2.9,-0.65) 6(-2.9,-1.3) 7(-2.9,-1.95) 8(2.9,-1.95) 9(2.9,-1.3) 10(2.9,-0.65) 11(2.9,0) 12(2.9,0.65) 13(2.9,1.3) 14(2.9,1.95)
  silkscreen extent -3.47,-2.5 1.85,2.83, body extent -3.12,-2.55 3.12,2.55, height 1.1
DGK0008A_M [mm] "TSOP, 8-Leads, Body 3.1x3.1mm, Pitch 0.65mm, IPC Low Density"
  rrect22% 1.55x0.45 smd: 1(-2.325,0.975) 2(-2.325,0.325) 3(-2.325,-0.325) 4(-2.325,-0.975) 5(2.325,-0.975) 6(2.325,-0.325) 7(2.325,0.325) 8(2.325,0.975)
  silkscreen extent -2.45,-1.55 1.15,1.92, body extent -2.45,-1.5 2.45,1.5, height 0.94
DIOM5336X265N [mm] "DO-214-AA/SMB Diode, Molded Body; 5.34mm L X 3.625mm W X 2.65mm H, IPC Medium Density"
  rect 2.3x2.15 smd: 1(-2.15,0) 2(2.15,0)
  silkscreen extent -3.92,-1.8 2.65,1.8, body extent -2.7,-1.95 2.7,1.95, height 2.4
FIDUCIAL_TOP_C100-200#1 [mm] "Round Fiducial Target, Top Layer, 1.0mm, Top Solder 2.0mm, Keepout =2.0mm"
  round 1 smd paste-0.51 mask+0.5: FTG2(0,0)
  L1 keep-out circle w0.1: c0,0 r1
FIDUCIAL_TOP_C100-200#2 [mm] "Round Fiducial Target, Top Layer, 1.0mm, Top Solder 2.0mm, Keepout =2.0mm"
  round 1 smd paste-0.51 mask+0.5: 1(0,0)
  L1 keep-out circle w0.1: c0,0 r1
FIDUCIAL_TOP_S100-200 [mm] "Square Fiducial Target, Top Layer, 1.0mm, Top Solder 2.0mm, Keepout =2.0mm"
  rect 1x1 smd rot 45 paste-0.51 mask+0.5: 1(0,0)
  L1 keep-out region: 1.414,0 0,-1.414 -1.414,0 0,1.414
FIL_MURATA_BNX02 [mm] "Block Type EMIFIL LC Combined Type, BNX02* Series"
  rect 3.8x2.5 smd: 1(-6.85,2.1) 2(6.85,2.1) 3(-6.85,-2.2) 4(6.85,-2.2)
  rect 7.9x2.3 smd: 4(1,-5.1)
  rect 3.4x2.3 smd: 4(3.25,5.1)
  silkscreen extent -5.95,-4.45 7.77,5.05, body extent -6.05,-4.55 6.05,4.55, height 3.1
IND_WURTH_WE-LHMI_7050 [mm] "SMD Power Inductor (We-LHMI Series), Body 7.6x6.9mm"
  rect 2.95x3.5 smd: 1(-2.725,0) 2(2.725,0)
  L1 keep-out region: 1.1,-3.45 1.1,3.45 -1.1,3.45 -1.1,-3.45
  silkscreen extent -3.8,-3.45 3.8,3.45, body extent -3.65,-3.3 3.65,3.3, height 4.8
LED_AVAGO_HSMC-C110 [mm] "Red Chip LED, 2-Leads, Body 3.3x1.6mm, Side Emitting Package"
  rect 1.5x1 smd: 1(-1.75,0) 2(1.75,0)
  rect 0.9x0.9 smd: 3(0,-0.65)
  silkscreen extent -1.87,-1.28 0.86,1.3, body extent -1.65,-0.3 1.65,1.3, height 1
LED_AVAGO_HSME-C110 [mm] "Green Chip LED, 2-Leads, Body 3.3x1.6mm, Side Emitting Package"
  rect 1.5x1 smd: 1(-1.75,0) 2(1.75,0)
  rect 0.9x0.9 smd: 3(0,-0.65)
  silkscreen extent -1.87,-1.28 0.86,1.3, body extent -1.65,-0.3 1.65,1.3, height 1
MOLEX_39-30-0040 [mm] "4.20mm (.165\") Pitch Mini-Fit Jr. Header, Dual Row, Right Angle with Snap-in Plastic Peg PCB Lock, 4 Circuits"
  round 2.5 hole 1.8: 1(-2.1,2.75) 2(2.1,2.75) 3(-2.1,-2.75) 4(2.1,-2.75)
  round 1 hole 3 unplated mask+1: 5(0,10.05)
  silkscreen extent -5.2,-1.24 4.8,16.65, body extent -5.2,-3.28 4.8,16.65, height 11.4
PTH-M3.4x6.0_BTKO [mm]
  round 6 hole 3.4: 1(0,0)
  L4 keep-out region: -5,-3.05 -5,7.3 5,7.3 5,-3.05 1.173,-3.05 1.173,-3.056 2.504,-2.108 3.211,-0.635 3.118,0.997 2.247,2.38 0.817,3.169 -0.817,3.169 -2.247,2.38 -3.118,0.997 -3.211,-0.635 -2.504,-2.108 -1.173,-3.056 -1.173,-3.056 -1.173,-3.05
RESC1005X40N [mm] "Chip Resistor, EIA 0402, Metric 1005, Body 1.0x0.5mm, IPC Medium Density"
  rect 0.58x0.62 smd: 1(-0.47,0) 2(0.47,0)
  body extent -0.52,-0.27 0.53,0.28, height 0.4
RESC1608X55N [mm] "Chip Resistor, EIA 0603, Metric 1608, Body 1.6x0.8mm, IPC Medium Density"
  rect 0.9x1 smd: 1(-0.8,0) 2(0.8,0)
  body extent -0.87,-0.47 0.88,0.48, height 0.55
RESC2012X60N [mm] "Chip Resistor, EIA 0805, Metric 2012, Body 2.0x1.2mm, IPC Medium Density"
  rect 0.95x1.4 smd: 1(-1,0) 2(1,0)
  silkscreen extent 0,-0.55 0,0.55, body extent -1.1,-0.67 1.1,0.68, height 0.6
RESC2113X55N [mm] "Chip Resistor, EIA 0805, Metric 2113, Body 2.05x1.3mm, IPC Medium Density"
  rect 1x1.45 smd: 1(-0.95,0) 2(0.95,0)
  silkscreen extent 0,-0.55 0,0.55, body extent -1,-0.62 1,0.63, height 0.55
SOD-523F [mm] "Small Outline Diode Flat Lead (SOD-523F), Body; 1.80mm L X 1mm W X 0.85mm H"
  rect 0.6x0.8 smd: 1(-0.85,0) 2(0.85,0)
  silkscreen extent -1.4,-0.5 0.2,0.99, body extent -0.91,-0.5 0.89,0.5, height 0.85
SOIC127P600X175-8N [mm] "SOIC 8, Pitch 1.27mm - Body 4x5mm, IPC Medium Density"
  rect 1.55x0.6 smd: 1(-2.7,1.905) 2(-2.7,0.635) 3(-2.7,-0.635) 4(-2.7,-1.905) 5(2.7,-1.905) 6(2.7,-0.635) 7(2.7,0.635) 8(2.7,1.905)
  silkscreen extent -2.02,-2.5 1.55,3.23, body extent -3.1,-2.5 3.1,2.5, height 1.75
SON50P160X65_HS-7N [mm] "SON, 6-Leads, Body 1,60x1,60mm, Pitch 0,50mm, Thermal Pad 1,18x0,28mm, IPC Medium Density"
  rect 0.63x0.3 smd: 1(-0.76,0.5) 2(-0.76,0) 3(-0.76,-0.5) 4(0.76,-0.5) 5(0.76,0) 6(0.76,0.5)
  rect 0.45x1.3 smd: 7(0,0)
  silkscreen extent -1.27,-0.98 0.85,1.02, body extent -0.85,-0.85 0.85,0.85, height 0.65
SOT95P240X110-3N [mm] "SOT23 3-Leads, Pitch 0.95mm, Body 1.3x2.9mm, IPC Medium Density"
  rect 1.05x0.65 smd: 1(-1.15,0.95) 2(-1.15,-0.95) 3(1.15,0)
  silkscreen extent -1.53,-1.45 0.3,1.92, body extent -1.25,-1.5 1.25,1.5, height 1.1
SOT95P280X145-5N [mm] "SOT, 0.95mm pitch; 5 pin, 1.60mm W X 2.90mm L X 1.45mm H body, IPC Medium Density"
  rect 1.1x0.6 smd: 1(-1.3,0.95) 2(-1.3,0) 3(-1.3,-0.95) 4(1.3,-0.95) 5(1.3,0.95)
  silkscreen extent -1.72,-1.45 0.43,1.87, body extent -1.4,-1.5 1.4,1.5, height 1.45
TEXAS_RGX0011A [mm] "TEXAS Case Style (R-VQFN-HR-N11), 0.50mm Pitch, 11-pin, 2.00mm W X 3.00mm L X 1.00mm H Body"
  oval 2.75x0.3 smd: 1(0,0.5) 2(0,0) 3(0,-0.5)
  oval 0.3x0.85 smd: 4(-0.75,-1.45) 5(-0.25,-1.45) 6(0.25,-1.45) 7(0.75,-1.45) 8(0.75,1.45) 9(0.25,1.45) 10(-0.25,1.45) 11(-0.75,1.45)
  silkscreen extent -2.07,0.38 -1.82,0.62, body extent -1,-1.5 1,1.5, height 1
XFMR_MINI-CIRCUITS_DB714 [mm] "MINI-CIRCUITS RF Transformer, Case DB715 - Body 4.06X3.81mm"
  rect 0.76x1.65 smd: 1(-1.27,1.59) 2(0,1.59) 3(1.27,1.59) 4(1.27,-1.59) 5(0,-1.59) 6(-1.27,-1.59)
  silkscreen extent -2.3,-0.37 1.63,1.73, body extent -1.63,-2.03 1.63,2.03, height 3.76